# Altium PCB 11BRANMB10H_20170919.pcbdoc (part 5 of 7)
Units mm, origin at the board's own origin, x right, y up, seen from the top; angles counter-clockwise.
Board outline 91.65 x 48.25 mm, 6 copper layers (TOP, GND1, Singal, POWER, GND2, BOTTOM), stack 0.8 mm thick; 367 components, 288 nets, 1408 pads, 965 vias.
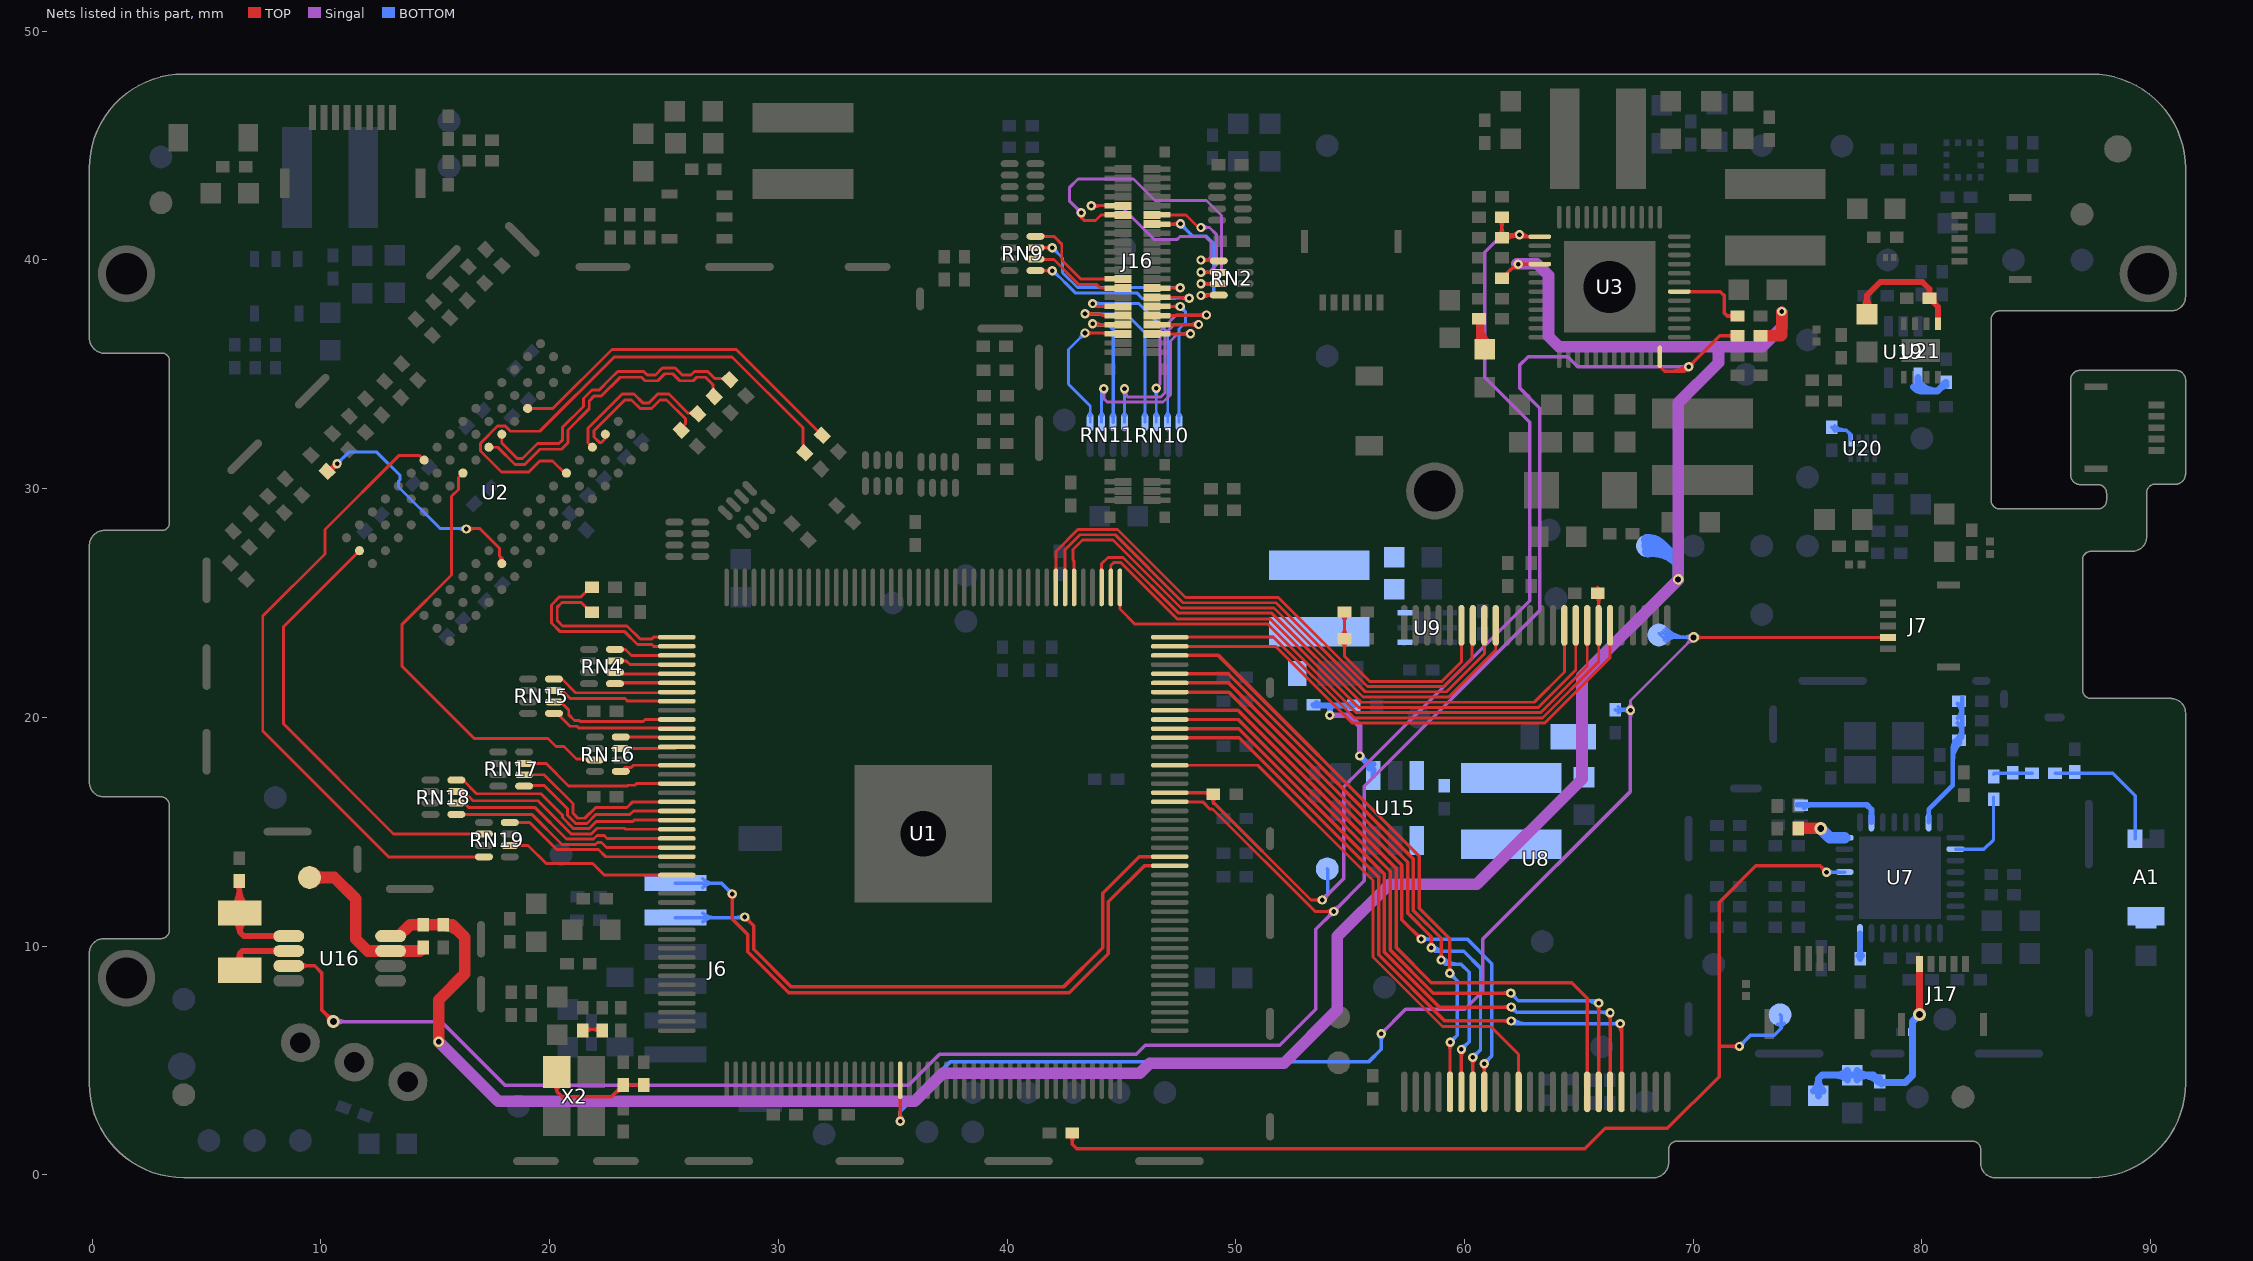
[diagram p9: the nets of this part, all layers, seen from the top]

## Via types
v1: diameter 0.406, hole 0.203, TOP to BOTTOM, tented both sides, 427 vias
v2: diameter 0.457, hole 0.254, TOP to BOTTOM, tented both sides, 256 vias
v3: diameter 0.559, hole 0.305, TOP to BOTTOM, tented both sides, 192 vias
v4: diameter 0.762, hole 0.457, TOP to BOTTOM, tented both sides, 69 vias
v5: diameter 0.61, hole 0.33, TOP to BOTTOM, tented both sides, 11 vias
v6: diameter 0.5, hole 0.2, TOP to BOTTOM, 9 vias
v7: diameter 0.508, hole 0.254, TOP to BOTTOM, tented both sides, 1 vias

## Nets (pads, with @x,y where several pads share a name; then routed paths per layer and width w, separated by ;. In a path a pad name is that pad's centre, name@x,y a point inside that pad or via, vN(x,y) a via of type N, cw(c..) or ccw(c..) an arc to the next point about the centre after c; other vN are vias at no path point) (continued)
N16977240: J16.29 RN9.5 | length 11.7
  TOP w0.127: RN9.5@41.243,39.534 v1(41.977,39.534) v1@42.012,39.534 ; RN9.5@41.547,39.471 cw(c41.699,39.32) 41.699,39.534 cw(c41.699,39.749) RN9.5@41.547,39.597 ; v1@41.878,39.436 ccw(c41.64,39.197) 41.64,39.534 ccw(c41.64,39.872) v1@41.878,39.633 ; J16.29@46.335,38.37 J16.29@46.925,38.37 v1@47.92,38.37 ; J16.29@46.78,38.33 ccw(c46.684,38.234) 46.684,38.37 ccw(c46.684,38.506) J16.29@46.78,38.41 ; J16.29@47.07,38.33 cw(c47.166,38.234) 47.166,38.37 cw(c47.166,38.506) J16.29@47.07,38.41 ; 47.515,38.37 cw(c47.515,37.869) v1@47.869,38.223 ; 47.746,38.37 ccw(c47.746,38.543) v1@47.869,38.421
  BOTTOM w0.127: v1@41.977,39.395 cw(c41.977,38.974) 42.275,39.271 ; v1@42.018,39.534 42.012,39.534 42.983,38.563 45.669,38.563 45.91,38.322 47.371,38.322 47.383,38.335 47.955,38.335 v1(47.968,38.322) ; v1@42.117,39.534 ccw(c42.37,39.534) 42.191,39.355 ; 47.6,38.335 cw(c47.6,37.954) v1@47.869,38.223 ; 47.661,38.335 ccw(c47.661,38.629) v1@47.869,38.421
N16977241: J16.28 RN9.6 | length 5.1
  TOP w0.127: RN9.6@41.243,40.034 41.259,40.019 42.049,40.019 43.148,38.919 43.924,38.919 44.073,38.77 J16.28@44.475,38.77 J16.28@45.065,38.77 ; RN9.6@41.547,39.972 cw(c41.66,39.858) 41.66,40.019 ; RN9.6@41.547,40.097 ccw(c41.737,40.288) 41.737,40.019 ; J16.28@44.33,38.73 ccw(c44.234,38.634) 44.234,38.77 ccw(c44.234,38.906) J16.28@44.33,38.81 ; J16.28@44.62,38.73 cw(c44.716,38.634) 44.716,38.77 cw(c44.716,38.906) J16.28@44.62,38.81
N16977242: J16.27 RN9.7 | length 11.6
  TOP w0.127: RN9.7@41.243,40.534 41.977,40.534 v1@42.02,40.534 ; RN9.7@41.547,40.471 cw(c41.699,40.32) 41.699,40.534 cw(c41.699,40.749) RN9.7@41.547,40.597 ; RN9.7@41.63,40.534 ccw(c41.63,40.885) v1@41.878,40.637 ; 41.65,40.534 cw(c41.65,40.211) v1@41.878,40.44 ; J16.27@46.335,38.77 J16.27@46.925,38.77 v1@47.559,38.77 ; J16.27@46.78,38.73 ccw(c46.684,38.634) 46.684,38.77 ccw(c46.684,38.906) J16.27@46.78,38.81 ; J16.27@47.07,38.73 cw(c47.166,38.634) 47.166,38.77 cw(c47.166,38.906) J16.27@47.07,38.81 ; 47.199,38.77 ccw(c47.199,39.161) v1@47.475,38.884 ; 47.275,38.77 cw(c47.275,38.486) v1@47.475,38.687
  BOTTOM w0.127: v1@41.977,40.399 cw(c41.977,40.061) 42.216,40.3 cw(c42.454,40.538) v1@42.117,40.538 ; v1(41.977,40.538) 42.43,40.085 42.43,39.445 43.084,38.792 47.568,38.792 v1(47.574,38.786) ; 47.222,38.792 cw(c47.222,38.433) v1@47.475,38.687 ; 47.252,38.792 ccw(c47.252,39.108) v1@47.475,38.884
N16977243: J16.26 RN9.8 | length 5.8
  TOP w0.127: RN9.8@41.243,41.034 42.049,41.034 42.392,40.691 42.392,39.998 43.22,39.17 J16.26@44.475,39.17 J16.26@45.065,39.17 ; RN9.8@41.547,40.972 cw(c41.699,40.82) 41.699,41.034 cw(c41.699,41.249) RN9.8@41.547,41.097 ; J16.26@44.33,39.13 ccw(c44.234,39.034) 44.234,39.17 ccw(c44.234,39.306) J16.26@44.33,39.21 ; J16.26@44.62,39.13 cw(c44.716,39.034) 44.716,39.17 cw(c44.716,39.306) J16.26@44.62,39.21
N16977551: J16.34 RN10.5 | length 10.4
  TOP w0.127: v1(43.409,37.643) 44.073,37.643 44.145,37.57 J16.34@44.475,37.57 J16.34@45.065,37.57 ; v1@43.507,37.544 cw(c43.746,37.305) 43.746,37.643 cw(c43.746,37.98) v1@43.507,37.741 ; J16.34@44.33,37.53 ccw(c44.234,37.434) 44.234,37.57 ccw(c44.234,37.706) J16.34@44.33,37.61 ; J16.34@44.62,37.53 cw(c44.716,37.434) 44.716,37.57 cw(c44.716,37.706) J16.34@44.62,37.61
  BOTTOM w0.127: v1(43.409,37.643) 45.211,37.643 46.024,36.83 RN10.5@46.024,32.904 ; v1@43.507,37.544 cw(c43.746,37.305) 43.746,37.643 cw(c43.746,37.98) v1@43.507,37.741 ; RN10.5@45.961,33.208 ccw(c45.809,33.36) 46.024,33.36 ccw(c46.239,33.36) RN10.5@46.087,33.208
N16977552: J16.33 RN10.6 | length 11.1
  TOP w0.127: J16.33@46.335,37.57 J16.33@46.925,37.57 v1@48.695,37.57 ; J16.33@46.78,37.53 ccw(c46.684,37.434) 46.684,37.57 ccw(c46.684,37.706) J16.33@46.78,37.61 ; J16.33@47.07,37.53 cw(c47.166,37.434) 47.166,37.57 cw(c47.166,37.706) J16.33@47.07,37.61 ; 48.327,37.57 ccw(c48.327,37.982) v1@48.618,37.691 ; 48.433,37.57 cw(c48.433,37.307) v1@48.618,37.493
  Singal w0.127: v1(46.52,34.385) 46.685,34.55 46.685,36.881 47.396,37.592 v1(48.717,37.592) ; v1@48.618,37.493 ccw(c48.38,37.255) 48.38,37.592 ccw(c48.38,37.929) v1@48.618,37.691
  BOTTOM w0.127: v1@46.421,34.286 cw(c46.173,34.038) 46.524,34.038 ; RN10.6@46.461,33.208 ccw(c46.309,33.36) 46.524,33.36 ccw(c46.739,33.36) RN10.6@46.587,33.208 ; v1(46.52,34.385) 46.524,34.381 RN10.6@46.524,32.904 ; 46.524,34.058 cw(c46.847,34.058) v1@46.619,34.286
N16977553: J16.32 RN10.7 | length 10.4
  TOP w0.127: v1(43.739,38.093) 43.862,37.97 J16.32@44.475,37.97 J16.32@45.065,37.97 ; J16.32@44.33,37.93 ccw(c44.234,37.834) 44.234,37.97 ccw(c44.234,38.106) J16.32@44.33,38.01 ; J16.32@44.62,37.93 cw(c44.716,37.834) 44.716,37.97 cw(c44.716,38.106) J16.32@44.62,38.01
  BOTTOM w0.127: v1(43.739,38.093) 45.758,38.093 47.024,36.827 RN10.7@47.024,32.904 ; v1@43.838,37.995 cw(c44.076,37.756) 44.076,38.093 cw(c44.076,38.431) v1@43.838,38.192 ; RN10.7@46.961,33.208 ccw(c46.809,33.36) 47.024,33.36 ccw(c47.239,33.36) RN10.7@47.087,33.208
N16977554: J16.31 RN10.8 | length 9.6
  TOP w0.127: J16.31@46.335,37.97 46.339,37.966 46.925,37.966 v1@47.536,37.966 ; J16.31@46.675,37.966 ccw(c46.675,38.115) J16.31@46.78,38.01 ; J16.31@46.692,37.966 cw(c46.692,37.842) J16.31@46.78,37.93 ; J16.31@46.925,37.97 v1@47.532,37.97 ; 47.158,37.966 ccw(c47.158,37.842) 47.07,37.93 cw(c47.166,37.834) 47.166,37.97 cw(c47.166,38.106) 47.07,38.01 ccw(c47.175,38.115) 47.175,37.966 ; 47.228,37.97 cw(c47.228,37.62) 47.475,37.868 ccw(c47.237,37.629) 47.237,37.966 ccw(c47.237,38.304) 47.475,38.065 cw(c47.246,38.295) 47.246,37.97
  BOTTOM w0.127: RN10.8@47.461,33.208 ccw(c47.309,33.36) 47.524,33.36 ccw(c47.739,33.36) RN10.8@47.587,33.208 ; RN10.8@47.524,32.904 47.524,36.983 47.803,37.262 47.803,37.738 ; v1(47.574,37.966) 47.803,37.738 ; v1@47.578,37.827 cw(c47.588,37.523) 47.803,37.738 ; v1@47.714,37.962 ccw(c48.018,37.953) 47.803,37.738
N16977555: J16.38 RN11.5 | length 8.9
  TOP w0.127: v1(43.409,36.804) 44.475,36.804 45.031,36.804 J16.38@45.065,36.77 J16.38@44.475,36.77 ; v1@43.507,36.706 cw(c43.746,36.467) 43.746,36.804 cw(c43.746,37.142) v1@43.507,36.903 ; 44.151,36.804 cw(c44.151,36.551) J16.38@44.33,36.73 ; J16.38@44.62,36.81 ccw(c44.716,36.906) 44.716,36.77 ccw(c44.716,36.634) 44.62,36.73 cw(c44.799,36.551) J16.38@44.799,36.804
  BOTTOM w0.127: v1@43.269,36.804 cw(c42.932,36.804) 43.17,36.566 cw(c43.409,36.327) v1@43.409,36.665 ; v1(43.409,36.804) 42.684,36.08 42.684,34.569 43.636,33.617 RN11.5@43.636,32.904 ; RN11.5@43.573,33.208 ccw(c43.422,33.36) 43.636,33.36 ccw(c43.851,33.36) RN11.5@43.699,33.208
N16977556: J16.37 RN11.6 | length 13.3
  TOP w0.127: J16.37@46.335,36.77 J16.37@46.925,36.77 v1(48.021,36.77) ; J16.37@46.78,36.73 ccw(c46.684,36.634) 46.684,36.77 ccw(c46.684,36.906) J16.37@46.78,36.81 ; J16.37@47.07,36.73 cw(c47.166,36.634) 47.166,36.77 cw(c47.166,36.906) J16.37@47.07,36.81 ; v1@47.922,36.671 ccw(c47.684,36.433) 47.684,36.77 ccw(c47.684,37.107) v1@47.922,36.869
  Singal w0.127: v1@44.135,34.273 cw(c43.896,34.034) 44.234,34.034 cw(c44.571,34.034) v1@44.332,34.273 ; v1(44.234,34.372) 44.234,33.934 44.38,33.788 46.824,33.788 47.142,34.107 47.142,36.455 47.457,36.77 v1(48.021,36.77) ; v1@47.922,36.671 ccw(c47.684,36.433) 47.684,36.77 ccw(c47.684,37.107) v1@47.922,36.869
  BOTTOM w0.127: RN11.6@44.074,33.208 ccw(c43.922,33.36) 44.136,33.36 ccw(c44.351,33.36) RN11.6@44.199,33.208 ; RN11.6@44.107,32.934 RN11.6@44.136,32.904 44.136,34.274 v1(44.234,34.372) ; 44.136,33.8 cw(c44.805,33.8) v1@44.332,34.273 ; 44.136,34.106 cw(c44.499,34.106) v1@44.243,34.363
N16977557: J16.36 RN11.7 | length 7.3
  TOP w0.152: v1@43.827,37.16 43.837,37.17 J16.36@44.475,37.17 J16.36@45.065,37.17 ; v1@43.829,37.121 cw(c43.947,37.003) 43.947,37.17 ; v1@43.829,37.301 ccw(c44.144,37.616) 44.144,37.17
  BOTTOM w0.152: v1@43.827,37.16 44.437,37.16 44.636,36.961 RN11.7@44.636,32.904 ; v1@43.829,37.301 ccw(c44.168,37.64) 44.168,37.16 ; RN11.7@44.582,33.199 ccw(c44.452,33.329) 44.636,33.329 ccw(c44.82,33.329) RN11.7@44.69,33.199
  other v1: 43.739,37.211
N16977558: J16.35 RN11.8 | length 12.5
  TOP w0.152: J16.35@46.335,37.17 J16.35@46.925,37.17 48.365,37.17 v1(48.374,37.179) ; 48.046,37.17 ccw(c48.046,37.507) v1@48.284,37.269 ; 48.089,37.17 cw(c48.089,36.894) v1@48.284,37.089
  Singal w0.127: v1@45.076,34.246 cw(c45.029,34.149) 45.136,34.149 ; v1(45.136,34.372) 45.136,34.149 ; v1@45.147,34.364 ccw(c45.297,34.253) 45.165,34.121 ; v1@45.197,34.246 ccw(c45.244,34.149) 45.136,34.149 ; v1@45.249,34.288 ccw(c45.416,34.164) 45.269,34.017 ; v1@48.275,37.08 ccw(c48.037,36.842) 48.037,37.179 ccw(c48.037,37.516) v1@48.275,37.278 ; v1(48.374,37.179) 47.307,37.179 46.914,36.785 46.914,34.202 46.729,34.017 45.269,34.017 ; 45.136,34.149 45.269,34.017
  BOTTOM w0.127: v1@45.038,34.273 cw(c44.799,34.034) 45.136,34.034 cw(c45.474,34.034) v1@45.235,34.273 ; RN11.8@45.074,33.208 ccw(c44.922,33.36) 45.136,33.36 ccw(c45.351,33.36) RN11.8@45.199,33.208 ; RN11.8@45.136,32.904 v1(45.136,34.372)
N16978242: J16.10 RN2.5 | length 12.1
  TOP w0.127: v1(43.675,42.367) 43.669,42.367 43.666,42.37 43.675,42.37 J16.10@44.475,42.37 J16.10@45.065,42.37 ; v1@43.774,42.268 cw(c44.019,42.023) 44.019,42.37 ; v1@43.774,42.466 ccw(c44.005,42.698) 44.005,42.37 ; J16.10@44.33,42.33 ccw(c44.234,42.234) 44.234,42.37 ccw(c44.234,42.506) J16.10@44.33,42.41 ; J16.10@44.62,42.33 cw(c44.716,42.234) 44.716,42.37 cw(c44.716,42.506) J16.10@44.62,42.41 ; v1(48.476,39.998) 49.22,39.998 RN2.5@49.257,39.961 ; v1@48.575,39.9 cw(c48.813,39.661) 48.813,39.998 cw(c48.813,40.336) v1@48.575,40.097 ; 48.711,39.998 cw(c48.711,39.656) RN2.5@48.953,39.898
  Singal w0.127: v1(43.675,42.367) 43.669,42.367 43.666,42.37 43.675,42.37 44.961,42.37 46.444,40.887 47.422,40.887 47.561,41.027 48.66,41.027 48.92,40.767 48.92,40.138 48.781,39.998 ; v1@43.774,42.268 cw(c44.019,42.023) 44.019,42.37 ; v1@43.774,42.466 ccw(c44.005,42.698) 44.005,42.37 ; v1(48.476,39.998) 48.781,39.998 ; v1@48.582,39.907 cw(c48.781,39.736) 48.781,39.998 ; v1@48.582,40.09 ccw(c48.781,40.261) 48.781,39.998
N16978245: J16.11 RN2.6 | length 8.4
  TOP w0.127: J16.11@46.335,41.97 J16.11@46.925,41.97 47.819,41.97 48.368,41.421 v1(48.476,41.421) ; J16.11@46.78,41.93 ccw(c46.684,41.834) 46.684,41.97 ccw(c46.684,42.106) J16.11@46.78,42.01 ; J16.11@47.07,41.93 cw(c47.166,41.834) 47.166,41.97 cw(c47.166,42.106) J16.11@47.07,42.01 ; v1(48.476,39.465) 49.253,39.465 RN2.6@49.257,39.461 ; v1@48.575,39.366 cw(c48.813,39.128) 48.813,39.465 cw(c48.813,39.802) v1@48.575,39.564 ; 48.791,39.465 cw(c48.791,39.237) RN2.6@48.953,39.398 ; 48.811,39.465 ccw(c48.811,39.666) RN2.6@48.953,39.524
  Singal w0.127: v1(48.476,39.465) 48.831,39.465 49.149,39.783 49.149,41.122 48.85,41.421 v1(48.476,41.421) ; v1@48.575,39.366 cw(c48.813,39.128) 48.813,39.465 cw(c48.813,39.802) v1@48.575,39.564 ; v1@48.575,41.322 cw(c48.813,41.084) 48.813,41.421 cw(c48.813,41.758) v1@48.575,41.52
N16978418: J16.12 RN2.7 | length 18.5
  TOP w0.127: v1@43.188,41.936 cw(c43.144,41.843) 43.247,41.843 ; v1(43.247,42.062) 43.247,41.843 ; v1@43.257,42.054 ccw(c43.38,41.944) 43.263,41.827 ; v1@43.306,41.936 ccw(c43.35,41.843) 43.247,41.843 ; v1@43.351,41.969 ccw(c43.48,41.854) 43.358,41.732 ; J16.12@44.33,41.93 ccw(c44.234,41.834) 44.234,41.97 ccw(c44.234,42.106) J16.12@44.33,42.01 ; J16.12@44.62,41.93 cw(c44.716,41.834) 44.716,41.97 cw(c44.716,42.106) J16.12@44.62,42.01 ; J16.12@45.065,41.97 J16.12@44.475,41.97 44.104,41.97 43.866,41.732 43.358,41.732 ; v1(48.476,38.957) 49.253,38.957 RN2.7@49.257,38.961 ; v1@48.575,38.858 cw(c48.813,38.62) 48.813,38.957 cw(c48.813,39.294) v1@48.575,39.056 ; 48.791,38.957 ccw(c48.791,39.185) RN2.7@48.953,39.024 ; 48.811,38.957 cw(c48.811,38.756) RN2.7@48.953,38.898 ; 43.247,41.843 43.358,41.732
  Singal w0.127: v1@43.108,42.062 ccw(c42.77,42.062) 43.009,42.301 ccw(c43.247,42.539) v1@43.247,42.202 ; v1(43.247,42.062) 42.723,42.587 42.723,43.154 43.107,43.538 45.532,43.538 46.469,42.602 48.723,42.602 49.378,41.948 49.378,39.402 48.933,38.957 v1(48.476,38.957) ; v1@48.575,38.858 cw(c48.813,38.62) 48.813,38.957 cw(c48.813,39.294) v1@48.575,39.056
N16978424: J16.13 RN2.8 | length 8.8
  TOP w0.152: J16.13@46.335,41.57 J16.13@46.925,41.57 47.577,41.57 v1(47.586,41.58) ; 47.256,41.57 ccw(c47.256,41.91) v1@47.497,41.67 ; 47.303,41.57 cw(c47.303,41.297) v1@47.497,41.49 ; v1(48.476,38.449) 49.245,38.449 RN2.8@49.257,38.461 ; v1@48.566,38.359 cw(c48.782,38.142) 48.782,38.449 cw(c48.782,38.756) v1@48.566,38.539 ; 48.803,38.449 ccw(c48.803,38.674) RN2.8@48.962,38.515 ; 48.86,38.449 cw(c48.86,38.306) RN2.8@48.962,38.407
  BOTTOM w0.152: v1@47.586,41.453 cw(c47.586,41.174) 47.783,41.371 ; v1(47.586,41.58) 47.586,41.568 48.115,41.04 48.711,41.04 49.035,40.716 49.035,38.601 48.882,38.449 v1(48.476,38.449) ; v1@47.713,41.58 ccw(c48.048,41.58) 47.811,41.343 ; v1@48.566,38.359 cw(c48.782,38.142) 48.782,38.449 cw(c48.782,38.756) v1@48.566,38.539
N16998285: C38.2 R9.2 X2.3 | length 7.6
  TOP w0.152: X2.3@20.135,3.904 cw(c20.038,3.643) 20.317,3.643 ; X2.3@20.317,4.495 20.317,3.643 ; X2.3@20.499,3.904 ccw(c20.595,3.643) 20.317,3.643 ; 22.845,3.551 cw(c23.214,3.183) C38.2@23.214,3.704 ; 22.947,3.652 ccw(c22.722,3.877) C38.2@23.04,3.877 ; C38.2@23.337,3.805 cw(c23.633,3.508) 23.633,3.927 cw(c23.633,4.347) C38.2@23.337,4.05 ; R9.2@23.994,3.805 ccw(c23.697,3.508) 23.697,3.927 ccw(c23.697,4.347) R9.2@23.994,4.05 ; R9.2@24.103,3.927 23.222,3.927 23.218,3.923 22.706,3.411 20.547,3.411 20.315,3.643 20.317,3.643
N17029739: R74.2 U2.C7 | length 6.9
  TOP w0.127: U2.C7@21.867,31.814 21.679,32.002 21.679,32.641 23.174,34.136 23.686,34.136 24.067,33.755 24.343,33.755 24.724,34.136 25.214,34.136 26.037,33.312 R74.2@26.44,33.312
N17029768: R75.2 U2.B7 | length 6.9
  TOP w0.127: U2.B7@22.433,32.379 22.433,32.197 22.264,32.027 22.17,32.027 21.933,32.264 21.933,32.535 23.28,33.882 23.581,33.882 23.962,33.501 24.448,33.501 24.829,33.882 25.108,33.882 25.947,33.043 25.947,32.845 R75.2@25.703,32.601
N17030637: R73.2 U2.G3 | length 13.2
  TOP w0.127: U2.G3@17.342,31.813 17.729,31.813 18.48,31.062 18.915,31.062 19.575,31.723 20.52,31.723 20.809,32.012 20.809,32.57 21.73,33.491 21.73,33.836 21.953,34.059 22.273,34.059 23.086,34.872 24.012,34.872 24.165,34.72 24.727,34.72 25.032,35.025 25.384,35.025 25.689,34.72 26.281,34.72 26.433,34.872 26.81,34.872 27.151,34.532 R73.2@27.151,34.074
N17030639: R72.2 U2.F3 | length 13.2
  TOP w0.127: U2.F3@17.908,32.379 17.908,31.994 18.585,31.316 18.809,31.316 19.47,31.977 20.414,31.977 20.555,32.117 20.555,32.675 21.476,33.597 21.476,33.942 21.848,34.313 22.168,34.313 22.645,34.79 22.98,35.126 24.118,35.126 24.27,34.974 24.622,34.974 24.927,35.279 25.489,35.279 25.794,34.974 26.175,34.974 26.328,35.126 26.916,35.126 27.231,34.811 R72.2@27.837,34.811
N17030675: R77.2 U2.D3 | length 15.4
  TOP w0.127: U2.D3@19.039,33.511 20.14,33.511 22.721,36.091 28.158,36.091 R77.2@31.875,32.373
N17030677: R76.2 U2.E7 | length 23.1
  TOP w0.127: U2.E7@20.736,30.682 20.662,30.682 20.13,31.215 19.571,31.215 19.089,30.732 17.895,30.732 17.194,31.432 16.973,31.643 16.973,31.983 17.006,32.017 17.723,32.744 18.059,32.744 18.294,32.51 19.571,32.51 22.822,35.761 27.979,35.761 31.078,32.662 31.078,31.646 R76.2@31.113,31.611
N17031032: R71.2 U2.L8 | length 15.3
  TOP w0.127: R71.2@10.313,30.911 ccw(c10.326,31.395) v1@10.659,31.043 ; R71.2@10.315,30.717 v1(10.707,31.088) ; R71.2@10.429,30.918 ccw(c10.298,31.16) v1@10.569,31.112 ; R71.2@10.454,30.932 cw(c10.587,30.685) v1@10.667,30.954 ; R71.2@10.494,30.719 cw(c10.91,30.708) v1@10.624,31.01 ; R71.2@10.504,30.814 cw(c10.747,30.664) v1@10.72,30.949 ; 10.542,30.876 ccw(c10.34,31) v1@10.571,31.055 ; v1@10.567,31.091 cw(c10.23,31.101) 10.462,30.856 cw(c10.693,30.611) v1@10.703,30.948 ; v1(16.356,28.236) 16.386,28.266 16.932,28.266 17.801,27.396 17.801,27.079 ; v1@16.455,28.138 cw(c16.765,27.827) 16.765,28.266 ; v1@16.455,28.335 ccw(c16.622,28.502) 16.622,28.266 ; U2.L8@17.807,26.815 ccw(c17.666,26.944) 17.801,27.079 ; U2.L8@17.834,26.837 ccw(c17.746,26.973) 17.908,26.973 ; 17.895,26.985 cw(c17.764,26.854) U2.L8@17.901,26.729 ; U2.L8@17.908,26.722 17.908,26.973 ; U2.L8@17.982,26.837 cw(c18.069,26.973) 17.908,26.973 ; 17.801,27.079 17.908,26.973
  BOTTOM w0.127: v1(10.707,31.088) 11.215,31.596 12.442,31.596 13.451,30.586 13.451,30.382 13.397,30.328 13.397,30.08 15.211,28.266 16.326,28.266 v1(16.356,28.236) ; v1@10.707,31.227 ccw(c10.707,31.565) 10.945,31.326 ccw(c11.183,31.088) v1@10.846,31.088 ; 15.947,28.266 cw(c15.947,27.827) v1@16.257,28.138 ; 16.09,28.266 ccw(c16.09,28.502) v1@16.257,28.335
N17176459: R151.2 U3.6 | length 4
  TOP w0.152: U3.6@69.393,38.619 70.28,38.619 ; 70.289,38.619 71.186,38.619 71.367,38.438 71.367,37.669 71.487,37.549 ; R151.2@71.762,37.43 ccw(c71.487,37.17) 71.487,37.549 ; R151.2@71.762,37.668 cw(c71.487,37.928) 71.487,37.549 ; R151.2@71.939,37.549 71.487,37.549
N17436294: R156.1 U7.2 | length 3.7
  BOTTOM w0.145: U7.2@81.468,14.237 82.715,14.237 83.134,14.657 R156.1@83.134,16.416 R156.1@83.134,16.518
N17436340: C213.1 C215.1 R156.2 | length 1.7
  BOTTOM w0.145: R156.2@83.134,17.518 83.168,17.551 83.972,17.551 C213.1@84.819,17.551
N17436479: A1.3@89.325,14.7 C213.2 C216.1 | length 5.8
  BOTTOM w0.145: C213.2@85.819,17.551 86.69,17.551 88.354,17.551 89.325,16.58 A1.3@89.325,14.7
N17436778: A1.2 R160.1
N17439379: R204.1 U7.26 | length 4.2
  BOTTOM w0.254: R204.1@74.553,16.18 74.72,16.18 77.588,16.18 77.793,15.975 U7.26@77.793,15.412 ; R204.1@74.857,16.072 cw(c75.118,15.811) 75.118,16.18
N17493110: C1.1 R2.2 | length 2.2
  TOP w0.127: R2.2@21.454,6.358 C1.1@22.267,6.358 ; R2.2@21.586,6.225 cw(c21.907,5.904) 21.907,6.358 ; R2.2@21.586,6.489 ccw(c21.902,6.805) 21.902,6.358 ; 21.84,6.358 cw(c21.84,5.905) C1.1@22.16,6.225 ; 21.844,6.358 ccw(c21.844,6.805) C1.1@22.16,6.489
N17550444: C225.1 C227.1 D18.1 L18.1 U15.6
N17550467: L18.2 U15.1
N17550469: R188.2 R189.1 U15.4 | length 7.9
  Singal w0.254: v1(54.114,20.091) 54.952,20.091 55.421,19.623 v1(55.421,18.316)
  BOTTOM w0.254: R188.2@53.395,20.549 53.42,20.523 54.114,20.523 ; R188.2@53.532,20.636 ccw(c53.803,20.907) 53.803,20.523 ; v1(54.114,20.091) 54.114,20.523 ; R189.1@55.027,20.436 ccw(c54.817,20.226) 54.817,20.523 ccw(c54.817,20.82) R189.1@55.027,20.61 ; R189.1@55.164,20.523 54.114,20.523 ; v1(55.421,18.316) 56.02,17.717 U15.4@56.02,17.452 ; v1@55.495,18.336 ccw(c55.893,18.443) 55.687,18.085 ; 55.604,18.133 ccw(c56.02,18.549) U15.4@56.02,17.96 ; U15.4@55.733,18.004 cw(c55.499,17.77) U15.4@55.83,17.77
N17556983: R194.1 TP5.1 U16.7 | length 8.6
  TOP w0.508: TP5.1@9.5,13 10.583,13 11.518,12.065 11.518,10.312 12.045,9.785 U16.7@13.044,9.785 14.311,9.785 R194.1@14.465,9.939 ; TP5.1@9.674,12.826 cw(c10.094,12.406) 10.094,13 cw(c10.094,13.594) TP5.1@9.674,13.174 ; R194.1@14.223,9.785 ccw(c14.223,10.131) R194.1@14.468,9.887
N17556994: C32.2 U16.1 X3.2 | length 8.2
  TOP w0.254: X3.2@6.151,11.746 ccw(c5.49,12.407) 6.424,12.407 ; X3.2@6.202,11.104 cw(c5.853,10.62) 6.45,10.62 ; C32.2@6.337,12.71 cw(c6.127,12.5) 6.424,12.5 cw(c6.721,12.5) C32.2@6.511,12.71 ; 6.424,12.53 ccw(c7.532,12.53) X3.2@6.749,11.746 ; C32.2@6.424,12.847 6.424,11.472 X3.2@6.45,11.447 6.45,10.62 ; X3.2@6.697,11.104 ccw(c7.047,10.62) 6.45,10.62 ; U16.1@8.085,10.341 ccw(c7.858,10.114) 7.858,10.435 ccw(c7.858,10.756) U16.1@8.085,10.529 ; U16.1@8.594,10.435 6.634,10.435 6.45,10.62